# Altium PCB PMR_for_R124_v2.PcbDoc (part 3 of 3)
Units mm, origin at the board's own origin, x right, y up, seen from the top; angles counter-clockwise.
Board outline 113.8 x 69.1 mm, 4 copper layers (Top Layer, Layer 1, Layer 2, Bottom Layer), stack 1.586 mm thick; 207 components, 115 nets, 635 pads, 586 vias.
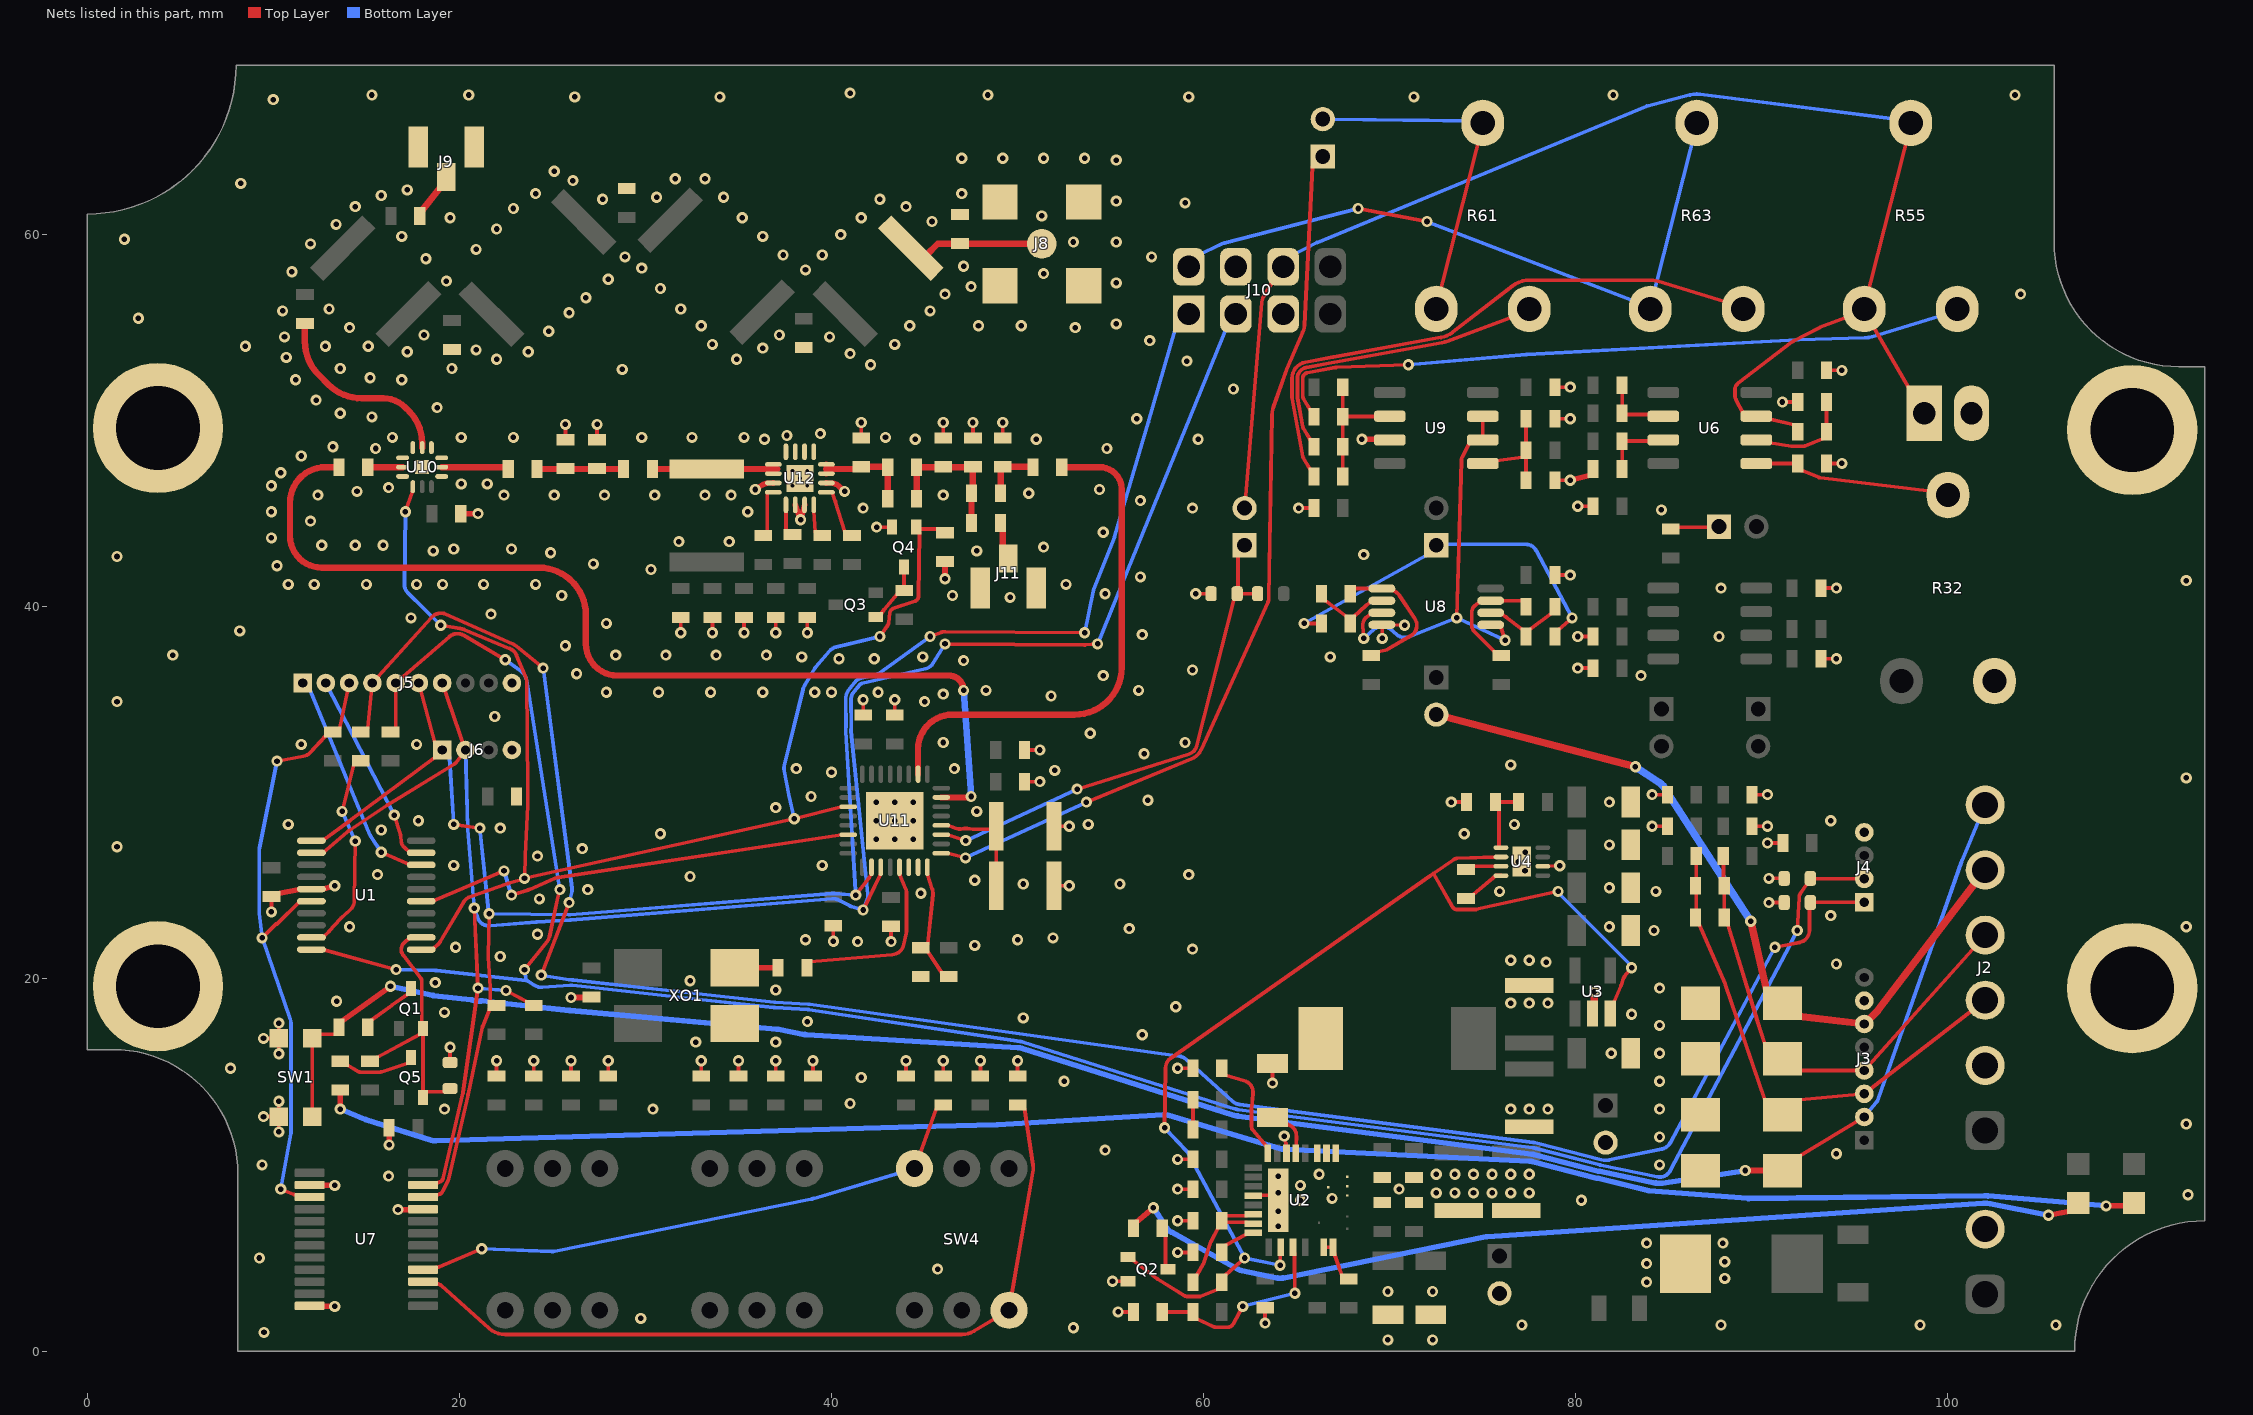
[diagram p5: the nets of this part, all layers, seen from the top]

## Via types
v1: diameter 0.6, hole 0.3, Top Layer to Bottom Layer, 569 vias
v2: diameter 0.7, hole 0.3, Top Layer to Bottom Layer, 9 vias
v3: diameter 0.5, hole 0.2, Top Layer to Bottom Layer, 5 vias
v4: diameter 0.6, hole 0.3, Top Layer to Bottom Layer, tented top, 3 vias

## Nets (pads, with @x,y where several pads share a name; then routed paths per layer and width w, separated by ;. In a path a pad name is that pad's centre, name@x,y a point inside that pad or via, vN(x,y) a via of type N, cw(c..) or ccw(c..) an arc to the next point about the centre after c; other vN are vias at no path point) (continued)
GND: C1.2 C2.2 C3.2 C4.2 C5.1 C6.1 C7.1 C8.1 C9.1 C10.1 C11.1 C12.1 C13.1 C14.1 C15.2 C16.1 C17.1 C18.2 C20.1 C21.1 C22.1 C23.1 C24.1 C26.1 C28.1 C31.1 C32.2 C34.1 C35.1 C36.1 C37.1 C38.1 C39.1 C40.1 C41.2 C45.1 C46.1 C47.1 C48.1 C52.1 C53.1 C54.2 C55.2 C56.2 C57.2 C58.2 C59.2 C60.2 C61.2 C62.2 C63.2 C67.1 C68.1 C69.2 C70.2 C71.2 D1.2 D2.1 D3.1 D4.1 D5.1 D6.2 D7.2 D9.2 D11.1 D13.2 J1.2 J2.2 J3.7 J4.4 J5.10 J6.4 J7.2 J8.2 J9.2 J9.3 J10.4 J10.5 J11.2 J11.3 L7.1 L8.1 pad.1 Q2.2 Q4.2 R12.1 R13.1 R17.1 R18.1 R20.1 R22.1 R24.1 R27.1 R32.3 R33.1 R34.1 R36.2 R40.1 R41.1 R42.1 R43.1 R44.1 R45.1 R46.1 R47.1 R48.1 R49.1 R50.1 R51.1 R66.2 R70.1 R71.1 R76.1 R78.2 SW1.1 U1.5 U2.9 U2.10 U2.11 U2.17 U2.23 U2.28 U2.30 U3.2 U4.2 U4.9 U7.2 U7.12 U7.21 U8.4 U9.3 U10.1 U10.3 U10.4 U10.6 U10.10 U10.12 U10.13 U11.6 U11.7 U11.33 U12.2 U12.5 U12.6 U12.7 U12.8 U12.11 U12.14 U12.15 U12.17 XO1.2 | length 83.6
  Top Layer w0.2: v1(9.475,12.6) 9.9,12.6 SW1.1@10.3,12.6 ; v1(9.475,16.8) 9.9,16.8 SW1.1@10.3,16.8 ; v1(9.9,23.6) 9.9,24.225 C2.2@9.9,24.425 ; v1(10.3,11.775) 10.3,12.2 SW1.1@10.3,12.6 ; v1(10.3,13.425) 10.3,13 SW1.1@10.3,12.6 ; v1(10.3,15.975) 10.3,16.4 SW1.1@10.3,16.8 ; v1(10.3,17.625) 10.3,17.2 SW1.1@10.3,16.8 ; D9.2@19.5,15.5 19.5,15.65 v1(19.5,16.325) ; R40.1@22,14.775 22,14.975 v1(22,15.6) ; R43.1@24,14.775 24,14.975 v1(24,15.6) ; C67.1@25.7,48.975 25.7,49.175 v1(25.7,49.8) ; R41.1@26,14.775 26,14.975 v1(26,15.6) ; C68.1@27.4,48.975 27.4,49.175 v1(27.4,49.8) ; R42.1@28,14.775 28,14.975 v1(28,15.6) ; v1(31.9,38.6) 31.9,39.225 C70.2@31.9,39.425 ; R44.1@33,14.775 33,14.975 v1(33,15.6) ; v1(33.6,38.6) 33.6,39.225 C62.2@33.6,39.425 ; R47.1@35,14.775 35,14.975 v1(35,15.6) ; v1(35.3,38.6) 35.3,39.225 C63.2@35.3,39.425 ; R45.1@37,14.775 37,14.975 v1(37,15.6) ; v1(37,38.6) 37,39.225 C69.2@37,39.425 ; v1(38.7,38.6) 38.7,39.225 C71.2@38.7,39.425 ; R46.1@39,14.775 39,14.975 v1(39,15.6) ; v1(40.1,22.025) 40.1,22.65 C59.2@40.1,22.85 ; L8.1@41.6,49.075 41.6,49.275 v1(41.6,49.9) ; C56.2@41.7,34.175 41.7,34.375 v1(41.7,35) ; v1(42.425,44.275) 43.075,44.275 Q4.2@43.25,44.275 ; v1(43.2,22) 43.2,22.625 C58.2@43.2,22.825 ; C55.2@43.4,34.175 43.4,34.375 v1(43.4,35) ; R48.1@44,14.775 44,14.975 v1(44,15.6) ; R51.1@46,14.775 46,14.975 v1(46,15.6) ; L7.1@46,49.075 46,49.275 v1(46,49.9) ; R71.1@47.6,49.075 47.6,49.275 v1(47.6,49.9) ; R49.1@48,14.775 48,14.975 v1(48,15.6) ; R70.1@49.2,49.075 49.2,49.275 v1(49.2,49.9) ; R50.1@50,14.775 50,14.975 v1(50,15.6) ; C57.2@50.375,30.6 50.575,30.6 v1(51.2,30.6) ; C60.2@50.375,32.3 50.575,32.3 v1(51.2,32.3) ; C52.1@51.95,25 52.25,25 v1(52.775,25) ; C53.1@51.95,28.2 52.25,28.2 v1(52.775,28.2) ; v1(55.1,3.75) 55.625,3.75 Q2.2@55.925,3.75 ; v1(55.4,2.1) 56.025,2.1 R12.1@56.225,2.1 ; v1(58.6,5.3) 59.225,5.3 R17.1@59.425,5.3 ; v1(58.6,7) 59.225,7 C16.1@59.425,7 ; v1(58.6,8.7) 59.225,8.7 R18.1@59.425,8.7 ; v1(58.6,10.3) 59.225,10.3 R13.1@59.425,10.3 ; v1(58.6,15.2) 59.225,15.2 C20.1@59.425,15.2 ; v1(59.575,40.7) 60.25,40.7 D13.2@60.4,40.7 ; U2.23@62.675,8.35 63.045,8.373 63.555,8.373 v1(64,8.5) ; v1(63.3,1.5) 63.3,2.125 C17.1@63.3,2.325 ; v1(63.7,14.4) 63.7,15.05 C18.2@63.7,15.45 ; v1(64.333,11.55) 64.42,11.159 cw(c64.127,11.095) 64.427,11.095 64.427,10.995 U2.17@64.449,10.625 ; v1(65.1,45.3) 65.725,45.3 C47.1@65.925,45.3 ; v1(69.6,38.3) 69.6,39.025 U8.4@69.575,39.025 70.075,39.025 v1(70.8,39) ; v1(73.3,29.5) 73.925,29.5 R20.1@74.125,29.5 ; U4.2@78.225,26.05 78.5,26.05 v1(79.132,26.076) ; C45.1@78.875,41.7 79.075,41.7 v1(79.7,41.7) ; R66.2@78.875,46.8 79.075,46.8 v1(79.7,46.8) v1@79.6,46.8 ; C48.1@78.875,50.1 79.075,50.1 v1(79.7,50.1) ; C46.1@78.875,51.8 79.075,51.8 v1(79.7,51.8) ; v1(80.1,36.7) 80.725,36.7 C35.1@80.925,36.7 ; v1(80.1,38.4) 80.725,38.4 R27.1@80.925,38.4 ; v1(80.1,45.4) 80.725,45.4 C37.1@80.925,45.4 ; v1(84.1,28.2) 84.725,28.2 R22.1@84.925,28.2 ; v1(84.1,29.9) 84.725,29.9 C28.1@84.925,29.9 ; R36.2@89.475,28.2 89.675,28.2 v1(90.3,28.2) ; C32.2@89.475,29.9 89.675,29.9 v1(90.3,29.9) ; v1(90.3,27.3) 90.925,27.3 C1.2@91.125,27.3 ; v1(90.375,24.1) 91.05,24.1 D6.2@91.2,24.1 ; v1(90.375,25.4) 91.05,25.4 D7.2@91.2,25.4 ; v1(91.1,51) 91.725,51 R24.1@91.925,51 ; R34.1@93.175,37.2 93.375,37.2 v1(94,37.2) ; C34.1@93.175,41 93.375,41 v1(94,41) ; C31.1@93.475,47.7 93.675,47.7 v1(94.3,47.7) ; C36.1@93.475,52.7 93.675,52.7 v1(94.3,52.7)
  Top Layer w0.3: C2.2@9.9,24.425 10.225,24.575 11.45,24.825 12.65,24.825 v1(13.3,25) ; U7.12@11.95,2.425 12.6,2.4 v1(13.3,2.4) ; U7.2@11.95,8.925 12.6,8.9 v1(13.3,8.9) ; v1(16.225,11.075) C41.2@16.225,12 ; v1(16.7,7.6) 17.4,7.6 U7.21@18.05,7.625 ; C61.2@20.075,45 v1(21,45) ; v1(26,19) 26.775,19 C54.2@27.1,19.025 ; v1(35.9,46.3) 36.295,46.551 cw(c36.55,46.15) 36.515,46.624 U12.11@36.875,46.65 ; U12.14@38.05,45.475 v1(38.337,44.675) U12.15@38.55,45.475 ; U12.2@39.725,46.65 40.085,46.624 cw(c40.05,46.15) 40.37,46.501 v1(40.7,46.2) ; v1(46.1,41.5) R76.1@46.1,42.425 ; v1(68.5,49) 69.3,49 U9.3@70,48.965 ; v1@79.6,46.8 v1(79.7,46.8) 80.775,47.075 R33.1@80.925,47.4
  Top Layer w0.4: U3.2@80.9,18.15 81,18.65 v1(81,19.3)
  other v1: 69.9,0.6 72.3,0.6 9.5,1 53,1.25 77.1,1.4 87.8,1.4 98.5,1.4 105.8,1.4 29.75,1.75 69.9,3.2 72.3,3.2 83.8,3.7 88,3.9 45.7,4.4 83.8,4.7 88,4.8 9.25,5 83.8,5.8 87.9,5.8 64,6.7 64,7.5 65.2,8.1 80.3,8.1 66.9,8.2 112.9,8.4 72.5,8.5 73.5,8.5 74.5,8.5 75.5,8.5 76.5,8.5 77.5,8.5 70.5,8.7 65.2,8.9 16.2,9.4 64,9.4 66.2,9.5 72.5,9.5 73.5,9.5 74.5,9.5 75.5,9.5 76.5,9.5 77.5,9.5 9.4,10 84.5,10 94,10.6 54.7,10.8 84.5,11.5 112.8,12.2 19.2,13 30.4,13 76.5,13 77.5,13 78.5,13 84.5,13 41,13.3 52.5,14.5 84.5,14.5 41.6,14.7 7.7,15.2 81.9,16 84.5,16 32.7,16.6 37,16.6 56.7,17 84.5,17.5 38.7,17.7 50.3,17.9 83,18.1 19.2,18.2 58.5,18.5 76.5,18.7 77.5,18.7 78.5,18.7 13.4,18.8 37,19.4 84.5,19.5 18.7,19.8 32.4,19.9 94,20.8 78.4,20.9 76.5,21 77.5,21 22.2,21.2 59.4,21.6 19.8,21.7 47.7,21.8 41.4,22 38.6,22.1 50,22.1 51.9,22.2 24.2,22.4 84.2,22.6 56,22.7 14.1,22.8 81.8,22.8 112.8,22.8 93.7,23.4 24.3,24.3 44.8,24.6 75.9,24.7 84.3,24.7 26.9,24.8 81.8,24.9 50.3,25.1 55.5,25.1 47.7,25.3 32.4,25.5 15.6,25.6 59.2,25.6 19.7,26.1 39.5,26.1 24.2,26.6 26.6,27 1.6,27.1 81.8,27.2 30.8,27.8 74,27.8 15.8,28 22.2,28.1 10.8,28.3 53.8,28.3 76.7,28.3 17.8,28.5 93.7,28.5 47.8,29 37,29.2 81.8,29.5 57,29.6 38.9,29.8 112.8,30.8 40,31.1 52,31.2 38.1,31.3 46.6,31.3 76.5,31.5 56.8,32.1 11.5,32.6 17.7,32.6 46,32.7 59,32.7 53.9,33.2 21.9,34.1 1.6,34.9 45,34.9 51.8,35.2 46,35.3 27.9,35.4 30.7,35.4 33.5,35.4 36.3,35.4 39.1,35.4 40,35.4 42.5,35.4 48.3,35.5 56.5,35.5 54.6,36.3 83.5,36.3 26.3,36.4 59.4,36.6 47.1,37.1 40.4,37.2 42.3,37.2 38.4,37.3 44.9,37.3 66.8,37.3 4.6,37.4 28.4,37.4 31.1,37.4 33.8,37.4 36.5,37.4 25.7,37.9 87.7,38.4 56.7,38.5 8.2,38.7 27.9,39.1 17.4,39.4 21.7,39.6 49.6,40.5 25.5,40.6 46.5,40.6 54.7,40.7 87.8,41 10.8,41.2 12.2,41.2 15,41.2 17.7,41.2 19.1,41.2 21.3,41.2 24.1,41.2 52.6,41.2 112.8,41.4 56.6,41.6 30.3,42 10.2,42.2 27.2,42.3 1.6,42.7 68.6,42.8 24.9,42.9 18.6,43 47.8,43 19.7,43.1 22.8,43.1 51.4,43.2 12.6,43.3 14.4,43.3 15.9,43.3 31.8,43.5 34.5,43.5 9.9,43.7 54.6,44 12,44.6 9.9,45.1 35.5,45.1 84.6,45.2 41.7,45.3 59.4,45.3 56.6,45.7 12.4,46 22.4,46 25.1,46 27.8,46 30.5,46 33.2,46 34.6,46 46,46 50.6,46.1 14.5,46.2 54.4,46.3 16.2,46.4 9.9,46.5 20.1,46.6 21.5,46.6 10.4,47.2 11.5,48.1 15.5,48.5 54.8,48.5 13.2,48.6 36.4,49 44.5,49 51,49 59.7,49 16.4,49.1 20.1,49.1 22.9,49.1 29.8,49.1 32.5,49.1 35.3,49.1 42.9,49.1 37.6,49.2 39.4,49.3 56.4,50.1 15.3,50.2 13.6,50.4 18.8,50.7 12.3,51.1 61.6,51.7 11.2,52.2 16.9,52.2 15.2,52.3 28.75,52.75 13.6,52.8 19.6,52.8 42.1,53 59.1,53.2 22,53.3 34.9,53.3 10.7,53.4 41,53.6 17.2,53.7 23.7,53.7 20.9,53.8 36.3,53.9 8.5,54 12.8,54 15.1,54 33.6,54.1 43.4,54.1 57.1,54.3 10.6,54.5 39.9,54.5 18.1,54.6 37.2,54.6 24.8,54.8 14.1,55 53.1,55 33,55.1 44.2,55.1 47.9,55.1 50.2,55.1 55.3,55.2 2.75,55.5 25.9,55.8 10.5,55.9 45.3,55.9 13,56 31.9,56 26.8,56.6 46.1,56.8 103.9,56.8 30.8,57.1 47.5,57.2 55.3,57.4 19.3,57.5 28,57.6 51.4,57.9 11,58 38.6,58.1 29.8,58.2 47.1,58.3 18.2,58.7 28.9,58.8 57.2,58.8 37.4,58.9 39.5,58.9 20.9,59.2 12,59.5 53,59.6 55.3,59.6 2,59.75 16.9,59.9 36.3,59.9 40.5,60 22,60.3 13.373,60.546 45.4,60.7 19.5,60.9 35.2,60.9 41.6,60.9 51.3,61 22.9,61.4 14.4,61.5 44,61.5 59,61.7 55.3,61.8 27.7,61.9 42.6,61.9 30.6,62 34.2,62 15.8,62.1 24.1,62.2 47,62.2 17.2,62.4 8.25,62.75 26.1,62.9 31.6,63 33.2,63 25.1,63.4 55.3,64 47,64.1 49.2,64.1 51.4,64.1 53.6,64.1 10,67.25 26.2,67.4 34,67.4 59.2,67.4 71.3,67.4 15.3,67.5 20.5,67.5 48.4,67.5 82,67.5 103.6,67.5 41,67.6
  other v2: 42.4,27.5 43.4,27.5 44.4,27.5 42.4,28.5 43.4,28.5 44.4,28.5 42.4,29.5 43.4,29.5 44.4,29.5
  other v3: 37.9,46.5 38.7,46.5 38.3,46.9 37.9,47.3 38.7,47.3
  other v4: 77.269,25.805 76.909,26.294 77.275,26.8
HALF_BIAS: C48.2 R65.2 R66.1 U9.5 | length 5.9
  Top Layer w0.2: U9.5@75,47.695 75.7,47.845 77.125,48.025 R65.2@77.325,48.4 ; R66.1@77.325,46.8 C48.2@77.325,50.1
HALF_BIAS_BUFFERED: U8.3 U8.5 U9.6 U9.7 | length 23.5
  Top Layer w0.2: v1(68.6,38.3) 68.551,38.988 cw(c69.075,39.025) 68.765,39.449 69.075,39.675 U8.3@69.575,39.675 ; v1(73.6,39.4) 73.85,47.858 cw(c74.3,47.845) 73.901,48.054 74.3,48.815 U9.6@75,48.965 U9.7@75,50.235 ; U8.5@75.425,39.025 75.925,39.025 v1(76.2,38.2)
  Bottom Layer w0.2: v1(68.6,38.3) 69.172,38.795 cw(c69.6,38.3) 70.021,38.801 70.379,38.499 ccw(c70.8,39) 71.04,38.392 v1(73.6,39.4) v1(76.2,38.2)
INT: U1.15 U11.30 | length 24.6
  Top Layer w0.2: U1.15@17.95,24.175 18.55,24.175 v1(22.4,25.8) ; v1(22.8,24.5) 23.693,24.775 ccw(c23.5,25.4) 23.76,24.8 25.139,25.4 cw(c25.4,24.8) 25.302,25.447 40.55,27.75 U11.30@40.9,27.75
  Bottom Layer w0.2: v1(22.4,25.8) v1(22.8,24.5)
"MIC OUT": C51.2 J7.1 J10.6 R25.2 R55.1 R55.2 U6.7 | length 78.9
  Top Layer w0.2: C51.2@62.2,45.3 63.123,56.365 cw(c63.845,56.305) 63.226,56.683 63.845,57.695 J10.6@64.27,58.27 ; R25.2@91.925,49.4 91.725,49.775 90.4,50.085 U6.7@89.7,50.235 89,50.385 88.601,51.146 cw(c89,51.355) 88.55,51.355 88.55,51.655 cw(c89,51.655) 88.726,52.012 91.602,54.219 cw(c92,53.7) 91.701,54.282 93.093,54.996 ; 93.094,54.997 cw(c93.184,54.818) 93.114,55.006 R55.1@95.5,55.9 ; R55.2@98,66 98,65.9 95.5,56.1 R55.1@95.5,56 R55.1@95.5,55.9 ; J7.1@98.72,50.4 97.87,51.8 R55.1@95.5,55.9
  Bottom Layer w0.2: J10.6@64.27,58.27 64.695,58.845 66.085,59.57 83.816,66.904 86.137,67.504 cw(c86.5,66.1) 86.683,67.538 98,66.1 R55.2@98,66
MODE: R17.2 U2.27 | length 2.1
  Top Layer w0.2: R17.2@60.975,5.3 61.175,5.675 62.305,6.271 U2.27@62.675,6.349
NetC29_1: C29.1 D3.2 J2.4 J3.4 R30.1 R37.1 | length 26
  Top Layer w0.2: R37.1@87.925,26.6 87.937,26.225 87.937,25.375 R30.1@87.975,25 C29.1@87.975,23.3 88.175,22.925 89.763,17.713 ccw(c90.05,17.8) 89.764,17.709 90.15,16.5 D3.2@91.1,15.7 92.05,15.075 J3.4@95.5,15.075 J2.4@102,22.35
NetC29_2: C29.2 D2.2 J2.3 J3.3 R21.1 R30.2 | length 28
  Top Layer w0.2: R21.1@86.475,26.6 86.469,26.225 86.469,23.675 C29.2@86.425,23.3 86.625,22.925 88.025,19.72 cw(c87.75,19.6) 88.034,19.697 90.15,13.5 D2.2@91.1,12.7 92.05,13.5 J3.3@95.5,13.825 J2.3@102,18.85
NetC30_1: C30.1 R29.1 | length 2.6
  Top Layer w0.2: R29.1@85.1,44.175 85.475,44.274 87.15,44.274 C30.1@87.7,44.3
NetC31_2: C31.2 R32.2 U6.5 | length 10.8
  Top Layer w0.2: U6.5@89.7,47.695 90.4,47.697 91.725,47.697 C31.2@91.925,47.7 92.125,47.325 93.064,46.946 ccw(c93.175,47.225) 93.139,46.927 100,46.1 R32.2@100,46
NetC42_2: C42.2 D4.2 J2.5 J3.6 | length 41.6
  Top Layer w0.4: C42.2@72.5,34.2 v1(83.2,31.4) ; v1(89.4,23.1) 90.25,19.4 D4.2@91.1,18.7 91.95,18 J3.6@95.5,17.575 96.125,18.177 ccw(c95.5,18.825) 96.215,18.279 J2.5@102,25.85
  Bottom Layer w0.4: v1(83.2,31.4) 84.516,30.529 cw(c84.1,29.9) 84.733,30.31 v1(89.4,23.1)
NetC43_1: C43.1 R53.1 R59.1 | length 20.2
  Top Layer w0.2: v1(65.4,39.1) 66.125,39.1 R59.1@66.325,39.1 ; R53.1@78.875,38.4 79.075,38.775 v1(79.8,39.4)
  Bottom Layer w0.2: v1(65.4,39.1) 71.95,42.75 C43.1@72.5,43.3 73.05,43.354 77.299,43.354 cw(c77.3,42.7) 77.877,43.008 v1(79.8,39.4)
NetC44_1: C44.1 U11.9 | length 48.6
  Top Layer w0.2: U11.9@45.9,26.75 46.25,26.75 v1(47.2,26.5) ; v1(53.7,29.5) 59.359,31.828 ccw(c59,32.7) 59.859,32.311 63.46,40.264 ccw(c63.05,40.45) 63.5,40.442 63.668,50.321 cw(c64.9,50.3) 63.752,50.747 64.458,52.758 65.315,54.75 65.37,54.891 ccw(c64.695,55.155) 65.419,55.118 65.85,63.65 C44.1@66.4,64.2
  Bottom Layer w0.2: v1(47.2,26.5) v1(53.7,29.5)
NetC44_2: C44.2 R61.1 R61.2 | length 19
  Top Layer w0.2: R61.1@72.5,56 72.5,56.1 75,65.9 R61.2@75,66
  Bottom Layer w0.2: C44.2@66.4,66.2 75,66.1 R61.2@75,66
NetC49_1: C49.1 U10.5 | length 1.9
  Top Layer w0.342: C49.1@15.075,47.5 U10.5@16.95,47.5
NetC49_2: C49.2 U11.15 | length 54.5
  Top Layer w0.342: C49.2@13.525,47.5 12.8,47.5 ccw(c12.8,45.6) 10.9,45.6 10.9,43.8 ccw(c12.6,43.8) 12.6,42.1 24.26,42.1 cw(c24.26,39.56) 26.8,39.56 26.8,38 ccw(c28.5,38) 28.5,36.3 46.3,36.3 cw(c46.3,35.5) 46.643,36.223 cw(c46.3,35.5) v1(47.1,35.5) ; U11.15@45.9,29.75 47.45,29.75 ccw(c47.45,29.8) v1(47.5,29.8)
  Bottom Layer w0.342: v1(47.1,35.5) v1(47.5,29.8)
NetC50_1: C50.1 U11.18 | length 28.3
  Top Layer w0.342: U11.18@44.65,31 44.65,32.35 cw(c46.5,32.35) 46.5,34.2 53.06,34.2 ccw(c53.06,36.74) 55.6,36.74 55.6,46.3 ccw(c54.4,46.3) 54.4,47.5 C50.1@52.375,47.5
NetC50_2: C50.2 R69.1 R70.2 | length 3.1
  Top Layer w0.342: R69.1@49.075,46.1 49.102,46.404 49.102,47.396 R70.2@49.2,47.525 49.504,47.52 50.696,47.52 C50.2@50.825,47.5
NetC51_1: C51.1 D12.2 D13.1 U11.11 | length 27.2
  Top Layer w0.2: U11.11@45.9,27.75 46.25,27.75 v1(47.217,27.431) ; v1(53.2,30.2) 59.195,32.076 ccw(c59,32.7) 59.634,32.538 61.65,40.45 D13.1@61.8,40.7 ; C51.1@62.2,43.3 61.838,42.75 61.838,40.95 D13.1@61.8,40.7 ; D12.2@62.9,40.7 D13.1@61.8,40.7
  Bottom Layer w0.2: v1(47.217,27.431) v1(53.2,30.2)
NetC52_2: C52.2 C53.2 U11.12 | length 6.2
  Top Layer w0.2: U11.12@45.9,28.25 46.25,28.25 46.664,28.09 ccw(c46.9,28.7) 46.843,28.049 ccw(c46.9,28.7) 47.059,28.066 cw(c47.217,27.431) 47.29,28.081 47.594,28.047 ccw(c47.616,28.246) 47.616,28.046 48.55,28.046 C53.2@48.85,28.2 C52.2@48.85,25
NetC66_2: C66.2 U10.11 | length 3.6
  Top Layer w0.342: U10.11@19.05,47.5 22.384,47.5 cw(c22.384,47.159) C66.2@22.625,47.4
NetD8_1: D8.1 R3.1 | length 98.3
  Top Layer w0.3: v1(13.6,13) R3.1@13.6,14.025 ; v1(108.5,7.8) 109.55,7.8 D8.1@110,7.95
  Bottom Layer w0.3: v1(13.6,13) 14.931,12.449 ccw(c15.2,13.1) 14.989,12.428 18.489,11.328 ccw(c18.7,12) 18.721,11.296 44.501,12.056 48.902,12.166 57.858,12.703 cw(c57.9,12) 58.1,12.675 ; 58.101,12.675 64.132,10.875 ; 64.133,10.875 ccw(c64.333,11.55) 64.299,10.847 77.534,10.203 cw(c77.5,9.5) 77.679,10.181 81.108,9.296 ccw(c81.6,11.2) 81.199,9.275 83.928,8.618 89.239,8.199 ccw(c89.3,8.9) 89.308,8.196 101.98,8.339 cw(c102,6.55) 102.15,8.333 v1(108.5,7.8)
NetD10_2: D10.2 R16.2 | length 53.1
  Top Layer w0.3: R16.2@56.225,6.6 56.375,6.925 v1(57.3,7.7) ; v1(105.4,7.3) 106.55,7.5 D10.2@107,7.95
  Bottom Layer w0.3: v1(57.3,7.7) 58.011,6.614 ccw(c58.6,7) 58.258,6.385 61.858,4.385 ccw(c62.2,5) 62.06,4.31 63.969,3.922 ccw(c64.109,4.612) 64.249,3.922 75.17,6.142 cw(c75.25,5.75) 75.223,6.149 101.906,7.947 cw(c102,6.55) 102.274,7.923 v1(105.4,7.3)
NetJ9_1: J9.1 R39.1 | length 2.6
  Top Layer w0.342: R39.1@17.875,61 18.004,61.304 18.971,62.521 J9.1@19.3,63.1
NetJ10_2: J10.2 R63.1 R63.2 | length 36.7
  Top Layer w0.2: v1(68.3,61.4) v1(72,60.7)
  Bottom Layer w0.2: J10.2@59.19,58.27 59.615,58.845 60.994,59.5 cw(c61.305,58.845) 61.124,59.547 v1(68.3,61.4) ; v1(72,60.7) R63.1@84,56.1 ; R63.1@84,56 R63.1@84,56.1 ; R63.2@86.5,66 86.5,65.9 R63.1@84,56.1
NetJ11_1: J11.1 R68.2 | length 2
  Top Layer w0.342: R68.2@49.075,44.5 49.204,44.196 49.204,43.179 J11.1@49.5,42.6
NetL10_2: L10.2 U12.13 | length 1.8
  Top Layer w0.2: U12.13@37.55,45.475 37.55,44.075 L10.2@37.9,43.875
NetQ1_3: Q1.3 R4.2 | length 3.2
  Top Layer w0.2: R4.2@15.075,17.4 15.275,17.775 16.362,18.576 cw(c16.75,18.05) 16.377,18.587 17.225,19.175 Q1.3@17.4,19.475
NetQ2_3: Q2.3 R16.1 | length 2.3
  Top Layer w0.2: R16.1@57.775,6.6 57.946,6.225 57.946,5.3 57.946,4.575 Q2.3@58.075,4.4
NetQ3_1: Q3.1 Q4.3 R75.1 | length 3.4
  Top Layer w0.2: Q3.1@42.375,39.45 42.675,39.625 42.836,39.869 43.525,40.675 R75.1@43.9,40.875 Q4.3@43.9,42.125